# Altium PCB board_layout.pcbdoc (part 3 of 4) (continued)
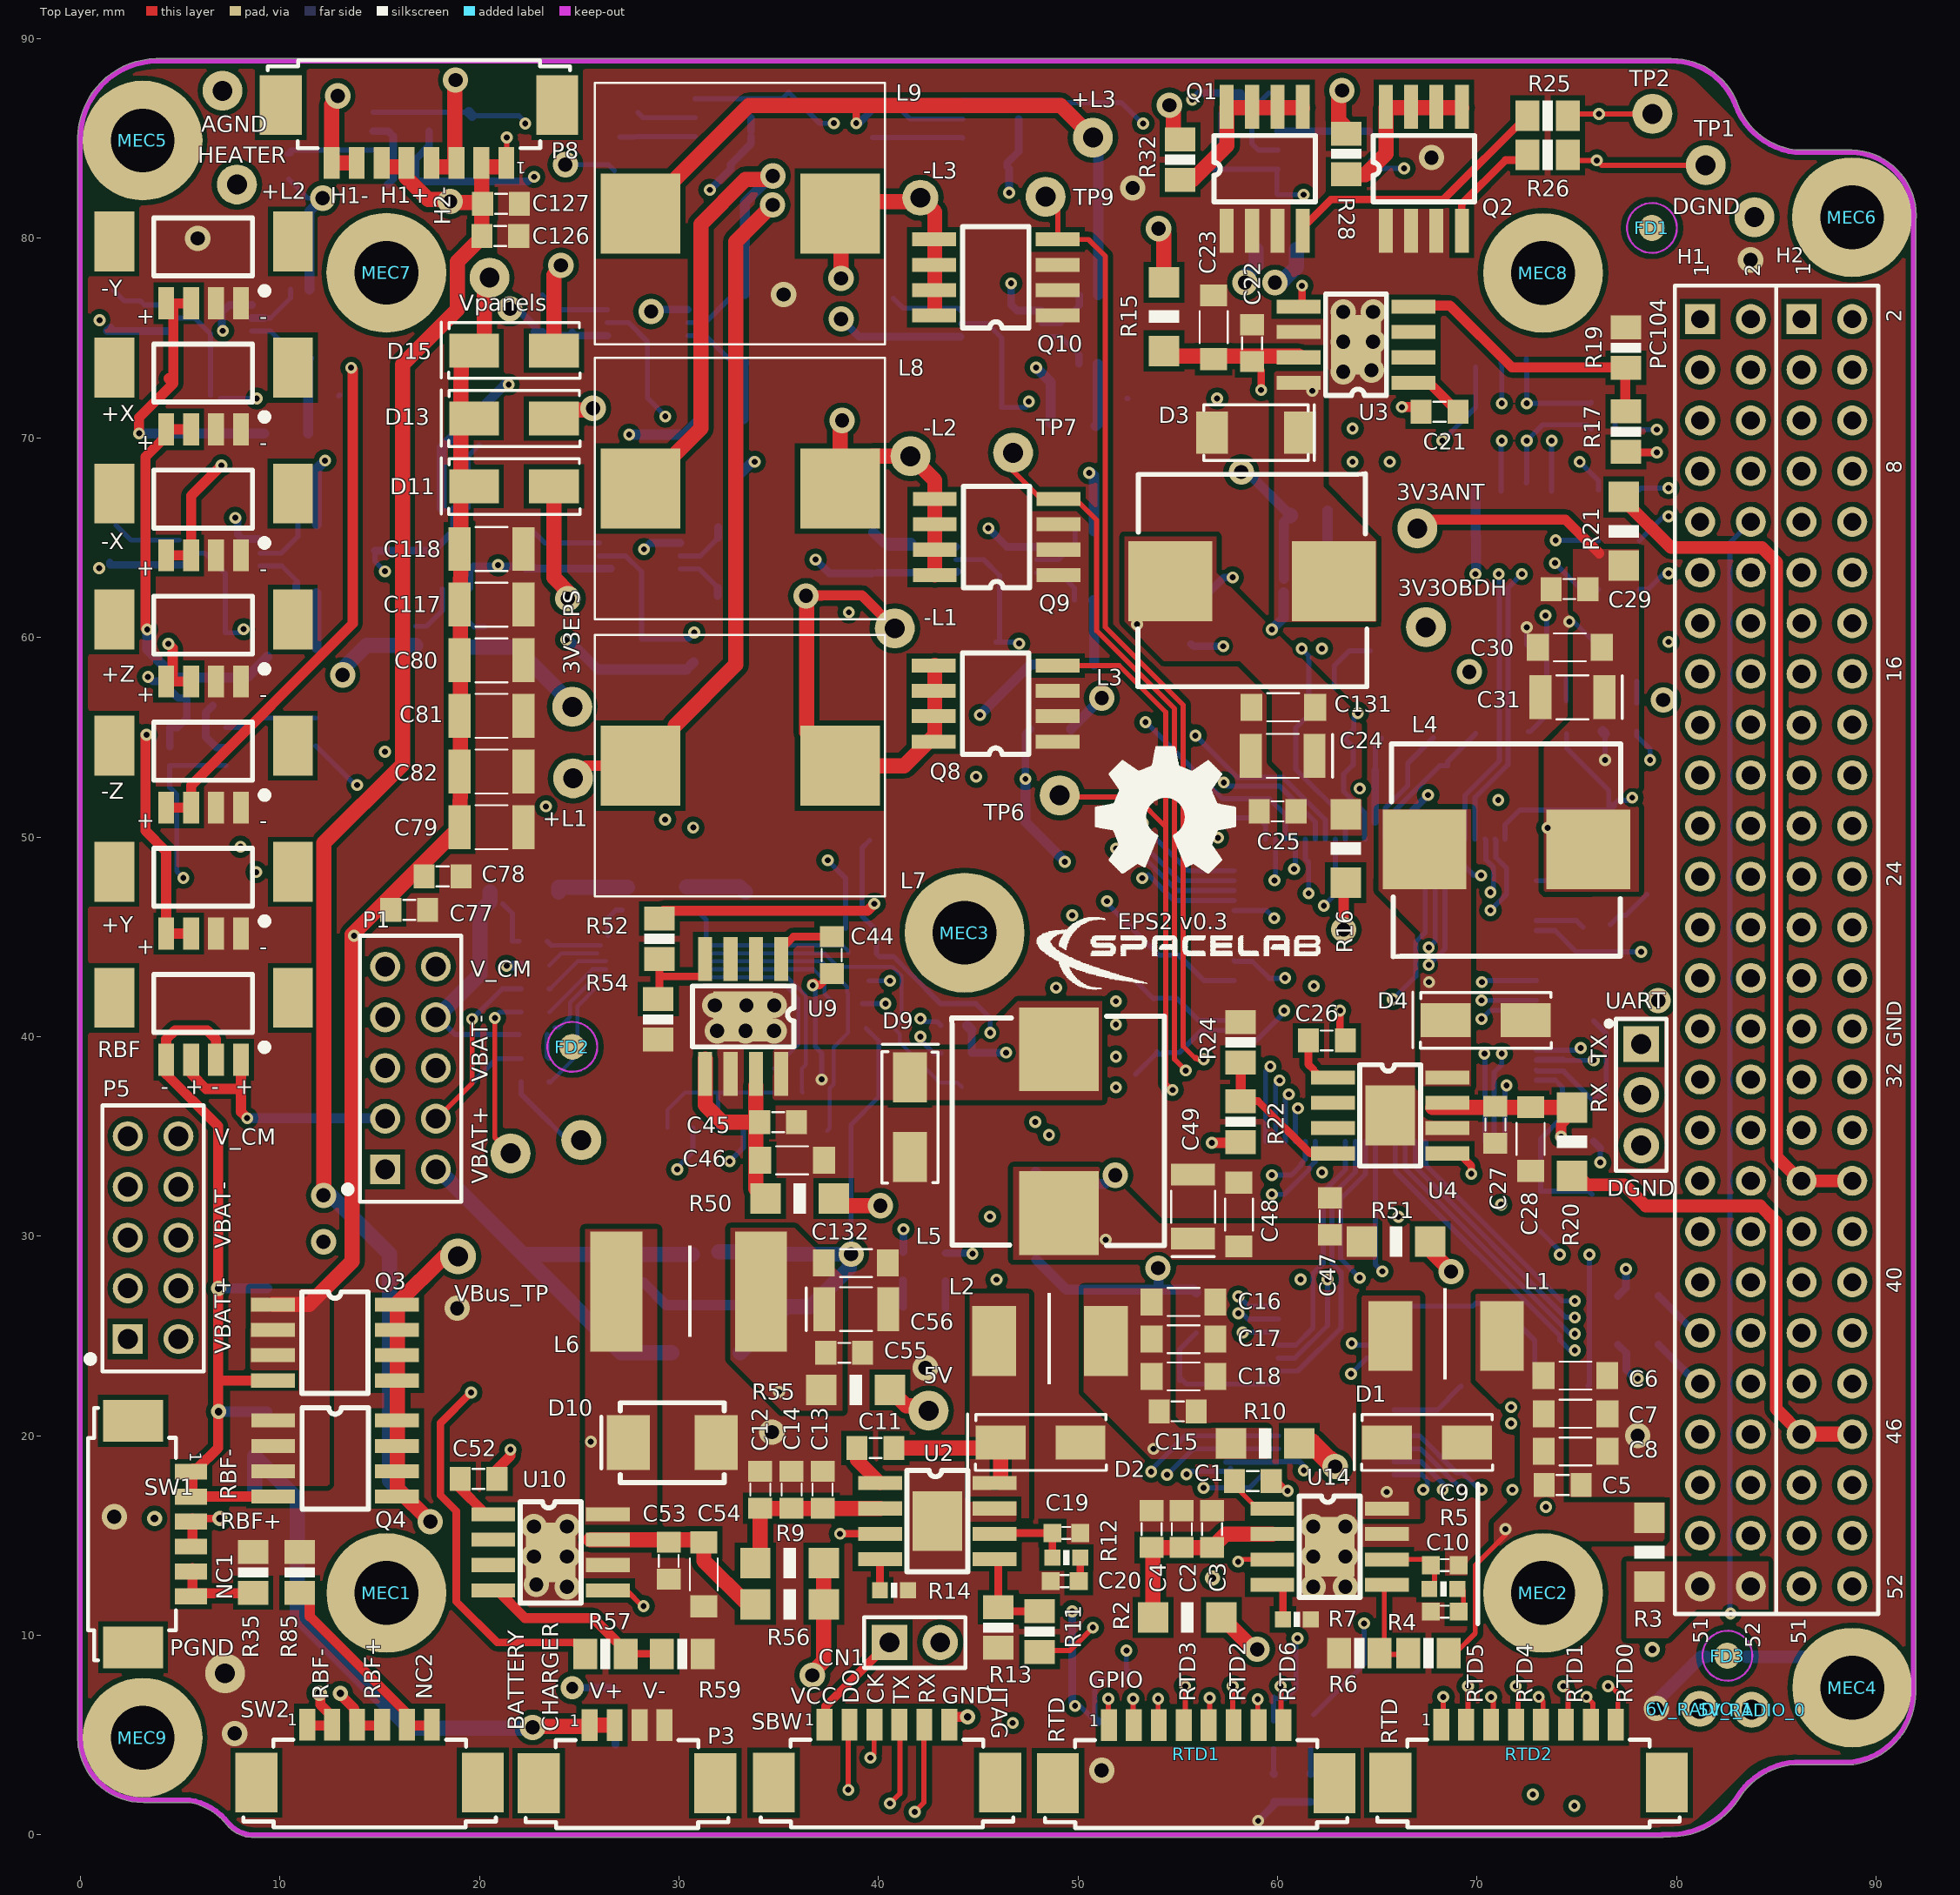
[diagram p0: Top Layer view]
## Nets (pads, with @x,y where several pads share a name; then routed paths per layer and width w, separated by ;. In a path a pad name is that pad's centre, name@x,y a point inside that pad or via, vN(x,y) a via of type N, cw(c..) or ccw(c..) an arc to the next point about the centre after c; other vN are vias at no path point) (continued)
  Bottom Layer w0.254: R69.2@10.446,82.958 11.388,82.016 v2(12.146,82.016)
  Bottom Layer w0.508: R29.2@11.486,77.441 11.486,81.356 v2(12.146,82.016) ; R41.2@11.858,65.661 11.858,68.458 v1@12.156,68.756
Net+L2_1: +L2.1 L8.1 R49.2 R68.2 R74.2 | length 74.5
  Top Layer w0.762: L8.1@28.076,67.466 31.096,70.486 31.096,80.716 33.336,82.956 34.536,82.956 v2(34.706,83.126)
  Signal Layer 1 w0.508: v1(33.796,68.806) 33.629,68.973 33.629,82.118 34.637,83.126 v2(34.706,83.126)
  Signal Layer 2 w0.381: +L2.1@7.857,82.693 8.879,83.716 8.902,83.694 22.384,83.694 22.456,83.766 24.102,83.766 24.152,83.716 v2@24.174,83.694 ; v2(24.31,83.694) v2@24.174,83.694 ; v2@34.132,83.002 33.598,83.536 24.332,83.536 v2@24.174,83.694
  Bottom Layer w0.254: v2(24.31,83.694) 26.47,83.694 R74.2@26.766,83.398
  Bottom Layer w0.508: R68.2@32.916,65.521 32.916,68.036 v1@33.726,68.846 ; R49.2@33.306,77.211 33.306,81.795 v2@34.706,83.195 ; v2(34.706,83.126) v2@34.706,83.195 ; v2@34.706,83.516 v2@34.706,83.195 ; v2@34.797,83.286 v2@34.706,83.195
Net+L3_1: +L3.1 L9.1 R75.2 R78.2 R81.2 | length 55.8
  Top Layer w0.381: v1(38.886,85.766) 38.886,86.656 38.896,86.666
  Top Layer w0.762: L9.1@28.076,81.236 33.506,86.666 38.896,86.666 49.126,86.666 +L3.1@50.746,85.046 ; +L3.1@50.796,84.736 +L3.1@51.196,85.136
  Signal Layer 1 w0.508: v1(50.556,68.246) 50.556,84.986 +L3.1@50.566,84.996
  Bottom Layer w0.381: v1@39.02,85.766 R81.2@39.707,86.453
  Bottom Layer w0.508: v1@50.666,68.266 50.797,68.135 R78.2@50.797,65.328 ; +L3.1@50.746,85.046 51.017,84.775 R75.2@51.017,77.158
Net-L1_1: -L1.1 D11.2 L7.2 Q8.3 | length 42.1
  Top Layer w0.508: v2(36.366,62.086) 36.385,62.105 37.165,62.105 ; v2@36.396,62.086 37.145,62.086 37.165,62.105 ; -L1.1@40.816,60.456 39.167,62.105 37.165,62.105
  Top Layer w0.762: D11.2@24.036,67.266 D11.2@23.736,67.566 23.736,62.996 v2@24.526,62.206 ; v2@36.396,62.086 36.396,55.256 L7.2@38.076,53.576 41.276,53.576 42.821,55.121 Q8.3@42.821,58.594 ; -L1.1@40.816,60.456 -L1.1@40.816,60.515
  Signal Layer 2 w0.762: v2(24.436,61.946) 36.226,61.946 v2(36.366,62.086)
Net-L2_1: -L2.1 D13.2 L8.2 Q9.3 | length 29.2
  Top Layer w0.762: D13.2@23.736,71.406 25.316,71.406 v2@25.396,71.486 ; v2@38.076,71.076 L8.2@38.076,67.466 39.696,69.086 -L2.1@41.606,69.086 42.821,67.871 Q9.3@42.821,66.942 Q9.3@42.821,65.672 Q9.3@42.821,64.402 Q9.3@42.821,63.132
  Signal Layer 2 w0.762: v2(25.696,71.486) 26.53,71.486 27.12,72.076 36.976,72.076 v2(38.176,70.876)
Net-L3_1: -L3.1 D15.2 L9.2 Q10.3 | length 30.7
  Top Layer w0.254: L9.2@38.076,81.236 L9.2@38.686,81.846
  Top Layer w0.762: 23.736,75.246 23.736,78.156 v2@23.886,78.306 ; L9.2@38.076,81.236 38.296,81.016 38.126,80.846 v2(38.126,77.996) ; L9.2@38.686,81.846 -L3.1@41.886,81.846 ; -L3.1@42.096,82.036 42.821,81.311 42.821,76.538
  Signal Layer 2 w0.762: v2(24.088,78.65) 37.472,78.65 v2(38.126,77.996)
NetC1_1: C1.1 U14.1 | length 2.6
  Top Layer w0.254: C1.1@57.991,17.836 57.991,17.351 58.996,16.346 U14.1@59.736,16.346
NetC1_2: C1.2 D1.1 L1.1 U14.8 | length 5.9
  Top Layer w0.254: C1.2@59.906,17.836 v1@60.486,17.256
  Top Layer w0.508: C1.2@59.841,17.836 C1.2@59.906,17.836
  Signal Layer 2 w0.254: v1(60.506,17.236) v1@65.416,17.236
  Signal Layer 2 w0.508: v1@65.416,17.236 v1(65.466,17.186)
NetC2_1: C2.1 C3.1 C4.1 R2.1 U14.2 | length 9.9
  Top Layer w0.762: R2.1@53.761,10.906 53.761,14.326 C4.1@53.686,14.401 C2.1@55.201,14.401 C3.1@56.716,14.401 57.391,15.076 U14.2@59.736,15.076
NetC5_1: C5.1 C6.1 C7.1 C8.1 L1.2 R1.1 R3.2 R4.2 | length 22.3
  Top Layer w0.254: R4.2@69.002,8.726 69.002,9.202 69.907,10.107 69.907,13.517 71.42,15.03 v1(71.42,15.323)
  Signal Layer 2 w0.254: v1(64.34,10.6) 69.063,15.323 v1(71.42,15.323)
  Bottom Layer w0.254: R1.1@61.806,6.024 64.34,8.558 v1(64.34,10.6)
NetC9_1: C9.1 R5.2 U14.6 | length 3.7
  Top Layer w0.254: U14.6@65.486,13.806 C9.1@67.953,13.806 ; R5.2@67.866,12.314 67.866,13.424 C9.1@67.963,13.521
NetC10_1: C10.1 R5.1 | length 1.1
  Top Layer w0.254: R5.1@69.263,12.314 69.316,12.261 C10.1@69.316,11.206
NetC11_1: C11.1 U2.1 | length 2.2
  Top Layer w0.7: C11.1@38.925,19.386 38.925,18.781 U2.1@40.076,17.63
NetC11_2: C11.2 D2.1 L2.1 U2.8 | length 7.6
  Top Layer w0.381: U2.8@45.826,17.63 U2.8@46.126,17.93 ; D2.1@45.846,19.386 D2.1@46.126,19.666
  Top Layer w0.762: C11.2@40.775,19.386 D2.1@45.846,19.386 ; U2.8@46.126,17.93 D2.1@46.126,19.666
NetC12_1: C12.1 C13.1 C14.1 R9.1 U2.2 | length 8.9
  Top Layer w0.762: R9.1@33.83,13.616 34.078,13.864 C12.1@34.078,16.373 34.092,16.36 U2.2@40.076,16.36
NetC15_1: C15.1 C16.1 C17.1 C18.1 L2.2 R8.1 R10.2 R11.2 | length 29.1
  Top Layer w0.254: R11.2@48.016,9.51 48.29,9.236 49.592,9.236 v1(50.746,10.39)
  Signal Layer 1 w0.254: v1(50.746,10.39) 50.746,16.306 v1(53.786,19.346)
  Signal Layer 2 w0.254: v1(50.746,10.39) 60.462,10.39 v1(60.996,9.856)
  Bottom Layer w0.254: R8.1@59.796,5.706 59.796,6.906 59.815,6.906 59.888,6.833 60.404,6.833 60.926,7.355 60.926,9.816 60.966,9.856 v1(60.996,9.856)
NetC19_1: C19.1 R12.2 U2.6 | length 4.1
  Top Layer w0.381: U2.6@45.826,15.09 45.866,15.13 C19.1@48.716,15.13 R12.2@48.717,13.89 R12.2@48.717,13.89
NetC20_1: C20.1 R12.1 | length 1.2
  Top Layer w0.381: C20.1@50.006,12.72 50.114,12.828 R12.1@50.114,13.89
NetC21_1: C21.1 U3.1 | length 2.9
  Top Layer w0.508: U3.1@66.806,72.826 67.521,72.826 C21.1@69.041,71.306
NetC21_2: C21.2 D3.1 L3.1 U3.8 | length 5.9
  Top Layer w0.508: v1(66.226,71.546) 66.951,71.546 C21.2@67.191,71.306
  Signal Layer 2 w0.508: v1(61.736,72.356) 62.237,71.855 65.917,71.855 v1(66.226,71.546) ; v1@66.261,71.581 v1@66.266,71.576
NetC22_1: C22.1 C23.1 R15.1 U3.5 U3.7 | length 15.8
  Top Layer w0.381: C22.1@58.726,73.821 59.175,73.372 v1(59.175,72.4) ; U3.5@61.056,76.576 61.225,76.576 v1(61.225,77.629)
  Top Layer w0.762: R15.1@54.306,74.362 54.571,74.096 U3.7@61.056,74.096
  Signal Layer 1 w0.381: v1(59.175,72.4) 59.175,75.3 61.225,77.35 v1(61.225,77.629)
NetC26_1: C26.1 U4.1 | length 2.7
  Top Layer w0.254: 61.786,38.376 62.351,37.956 U4.1@62.767,37.956
  Top Layer w0.381: C26.1@61.541,39.806 61.541,38.621 61.786,38.376
NetC26_2: C26.2 D4.1 L4.1 U4.8 | length 6.8
  Top Layer w0.381: v1(63.13,41.31) 63.13,40.067 C26.2@63.391,39.806
  Signal Layer 2 w0.381: v1@63.21,41.2 63.13,41.28 v1(63.13,41.31) 63.424,41.31 64.898,42.784 67.542,42.784 v1(67.59,42.736)
NetC27_1: C27.1 C28.1 R20.1 U4.5 U4.7 | length 15.8
  Top Layer w0.381: U4.5@69.016,34.226 69.706,33.536 v1(69.706,33.126)
  Top Layer w0.508: v1(74.21,34.987) 74.21,35.585 R20.1@75.076,36.451
  Top Layer w0.762: U4.7@67.776,36.451 R20.1@74.756,36.451 R20.1@75.076,36.451
  Signal Layer 2 w0.381: v1(69.706,33.126) 71.567,34.987 v1(74.21,34.987)
NetC36_1: C36.1 U5.9 | length 3.9
  Bottom Layer w0.254: U5.9@65.836,21.296 68.016,21.296 68.528,21.808 68.528,21.838 69.166,22.476 C36.1@69.206,22.476
NetC37_2: C37.2 C38.1 | length 7.4
  Bottom Layer w0.508: C38.1@28.226,27.683 29.363,26.546 33.656,26.546 C37.2@34.746,27.636
NetC39_1: C39.1 U7.14 | length 9
  Bottom Layer w0.2: U7.14@31.246,42.576 35.307,42.576 35.988,41.895 35.988,39.618 C39.1@34.766,38.396
NetC40_1: C40.1 U7.6 | length 2.8
  Bottom Layer w0.2: C40.1@23.606,44.576 U7.6@26.096,44.576
  Bottom Layer w0.254: C40.1@23.396,44.786 C40.1@23.606,44.576
NetC41_1: C41.1 R33.2 U7.2 | length 5.3
  Bottom Layer w0.2: C41.1@23.756,40.456 24.006,40.456 24.536,40.986 24.536,41.709 25.803,42.976 U7.2@26.346,42.976
  Bottom Layer w0.254: C41.1@23.396,40.113 23.396,38.992 R33.2@23.493,38.894
NetC44_1: C44.1 U9.1 | length 3.3
  Top Layer w0.381: U9.1@35.126,43.886 35.126,44.396 35.741,45.011 C44.1@37.656,45.011
NetC44_2: C44.2 D9.1 L5.1 U9.8 | length 6.6
  Top Layer w0.381: v1@36.621,42.696 v1@36.695,42.622 ; v1(36.706,42.566) 36.706,42.611 v1@36.695,42.622 ; C44.2@37.656,43.161 37.061,42.566 37.01,42.616 36.96,42.566 36.799,42.726 v1@36.695,42.622
  Bottom Layer w0.254: v1@36.565,42.696 v1@36.695,42.566 ; v1(36.706,42.566) v1@36.695,42.566 ; v1(37.156,37.856) 37.156,39.174 36.834,39.496 36.834,42.427 v1@36.695,42.566
NetC45_2: C45.2 C46.1 R50.1 U9.5 U9.7 | length 11.2
  Top Layer w0.762: U9.5@31.316,38.866 31.316,36.576 32.176,35.716 C45.2@33.856,35.716 ; U9.7@33.856,37.546 C45.2@33.856,35.716 ; C45.2@34.047,35.716 C45.2@33.856,35.716 ; R50.1@34.331,31.896 33.856,32.372 C45.2@33.856,35.716
NetC47_2: C47.2 C48.1 C49.1 L5.2 R51.2 R52.2 R53.2 | length 38.6
  Top Layer w0.508: R52.2@29.232,46.306 39.446,46.306 v1(39.796,46.656)
  Top Layer w0.762: L5.2@49.046,31.146 L5.2@49.046,31.166
  Signal Layer 1 w0.508: v1@39.776,46.606 39.787,46.606 39.796,46.597 39.796,44.615 44.71,39.701 v1(44.71,29.12)
  Signal Layer 2 w0.508: v1(44.71,29.12) 46.64,29.12 47.346,29.826 v1(51.386,29.826)
  Bottom Layer w0.381: R53.2@43.354,29.15 44.68,29.15 v1(44.71,29.12)
NetC52_1: C52.1 U10.1 | length 2.7
  Top Layer w0.508: C52.1@18.901,17.826 18.901,17.511 20.346,16.066 U10.1@20.696,16.066
NetC52_2: C52.2 D10.1 L6.1 U10.8 | length 6
  Top Layer w0.508: C52.2@20.751,17.826 20.751,18.191 21.556,18.996 v1(21.556,19.306)
  Signal Layer 2 w0.508: v1(21.556,19.306) 21.956,19.706 v1(25.586,19.706)
NetC53_1: C53.1 C54.1 R56.1 U10.7 | length 9.7
  Top Layer w0.762: U10.7@25.576,14.796 U10.7@26.446,14.796 C54.1@30.911,14.796 ; C54.1@31.246,14.656 31.246,13.746 33.433,11.559 R56.1@33.83,11.559
NetC55_1: C55.1 C56.1 C132.1 L6.2 R55.2 R57.2 R58.1 | length 46.8
  Top Layer w0.381: v1(19.586,22.173) 18.05,20.637 18.05,17.02 18.84,16.23 18.84,11.7 20.897,9.643 24.733,9.643 R57.2@25.3,9.076
  Signal Layer 2 w0.381: v1(19.586,22.173) v1@35.02,22.173 ; v1(35.02,22.2) 35.87,22.2 41.25,27.58 v1(41.25,30.35)
  Bottom Layer w0.381: R58.1@41.226,29.202 41.25,29.226 v1(41.25,30.35)
NetC65_1: C65.1 U12.27 | length 2.4
  Bottom Layer w0.254: U12.27@72.971,47.816 75.146,47.816 C65.1@75.306,47.656
NetC66_1: C66.1 U13.5 | length 3.2
  Bottom Layer w0.254: U13.5@62.841,57.466 62.841,58.581 63.586,59.326 C66.1@64.646,59.326
NetC72_2: C72.2 D7.1 R29.1 | length 3.8
  Bottom Layer w0.508: D7.1@11.426,70.226 11.426,73.956 R29.1@11.461,73.991
NetC74_2: C74.2 D12.1 R41.1 | length 2.7
  Bottom Layer w0.508: D12.1@11.833,59.479 R41.1@11.833,62.211
NetC76_2: C76.2 D14.1 R49.1 | length 2.8
  Bottom Layer w0.508: D14.1@33.236,70.946 33.236,73.716 R49.1@33.281,73.761
NetC83_2: C83.2 R69.1 R71.2 U17.1 | length 4.6
  Bottom Layer w0.254: R69.1@10.562,84.236 10.451,84.231 10.366,84.228 10.554,84.416 U17.1@14.676,84.416
NetC86_2: C86.2 R70.1 R73.2 U19.1 | length 4.7
  Bottom Layer w0.254: U19.1@7.285,55.492 8.452,55.492 8.928,55.968 R73.2@10.48,55.968 R70.1@11.805,55.968
NetC88_2: C88.2 D16.1 R68.1 | length 3
  Bottom Layer w0.508: R68.1@32.891,62.071 32.936,62.026 D16.1@32.936,59.056
NetC90_2: C90.2 R74.1 R76.2 U21.1 | length 3.8
  Bottom Layer w0.254: R74.1@27.036,85.076 27.761,85.076 27.882,85.097 U21.1@30.816,85.097
NetC93_2: C93.2 D17.1 R75.1 | length 3.2
  Bottom Layer w0.508: D17.1@50.886,70.586 50.992,70.692 R75.1@50.992,73.708
NetC97_2: C97.2 D18.1 R78.1 | length 3.2
  Bottom Layer w0.508: R78.1@50.772,61.878 50.806,61.844 D18.1@50.806,58.646
NetC98_2: C98.2 R81.1 R82.2 U24.1 | length 4.5
  Bottom Layer w0.254: R81.1@39.707,85.056 R82.2@41.102,85.056 44.201,85.056 U24.1@44.227,85.03
NetC120_2: C120.2 R45.1 R86.2 U26.1 | length 4.7
  Bottom Layer w0.254: R45.1@64.601,85.356 R45.1@64.666,85.291
  Bottom Layer w0.381: U26.1@60.016,85.366 64.591,85.366 R45.1@64.601,85.356
NetC128_2: C128.2 R51.1 Rsense3.1 | length 93.6
  Top Layer w0.254: R51.1@67.65,29.277 R51.1@67.65,29.726
  Top Layer w0.762: R51.1@67.65,29.277 v2(68.697,28.23)
  Signal Layer 1 w0.762: v2(68.697,28.23) 68.697,28.451 68.486,28.662 68.486,57.156 v2(69.61,58.28)
  Signal Layer 2 w0.762: v2@13.133,58.34 13.29,58.496 69.394,58.496 v2(69.61,58.28)
  Bottom Layer w0.762: v2(13.146,58.126) 13.146,58.406 14.351,59.611 Rsense3.1@16.811,59.611
NetCC_1: CC.1 R39.2 U6.4 | length 14.9
  Signal Layer 2 w0.254: CC.1@25.106,34.816 CC.1@25.294,34.628 ; CC.1@25.244,33.968 25.792,34.516 31.78,34.516 v1(32.543,33.753)
  Bottom Layer w0.254: R39.2@22.096,37.726 22.096,37.116 CC.1@25.056,34.156 ; v1(32.543,33.753) 33.236,34.446 U6.4@33.236,35.426
NetD6_1: D6.1 R42.1 U7.11 | length 15.4
  Bottom Layer w0.2: U7.11@31.246,43.776 37.15,43.776 38.426,42.5 38.426,42.218 38.479,42.165 38.479,40.195 37.751,39.467 37.751,37.61 37.556,37.414 37.556,35.416 D6.1@37.426,35.286
NetD8_1: D8.1 R37.1 U7.10 | length 18
  Bottom Layer w0.2: U7.10@31.246,44.176 37.289,44.176 37.965,43.5 40.693,43.5 41.154,43.039 41.154,40.799 R37.1@40.774,40.419 41.075,40.117 41.075,39.7 43.077,37.698 43.953,37.698 D8.1@44.175,37.476
NetDC_1: DC.1 R40.2 U6.2 | length 20.1
  Top Layer w0.254: v1(20.776,40.936) 20.776,34.946 DC.1@21.566,34.156
  Signal Layer 2 w0.254: DC.1@21.566,34.156 21.566,33.946 22.666,32.846 29.416,32.846 v1(29.916,33.346)
  Bottom Layer w0.254: v1@20.786,40.996 21.021,41.231 R40.2@22.096,41.231 ; v1(29.916,33.346) 29.916,33.456 30.696,34.236 U6.2@30.696,35.426
NetQ1_2: Q1.2 R25.1 | length 13.7
  Top Layer w0.381: Q1.2@61.186,80.456 62.676,81.946 68.32,81.946 R25.1@72.52,86.146
NetQ1_3: Q1.3 R32.2 | length 8.4
  Top Layer w0.762: R32.2@55.456,82.936 55.746,82.936 57.46,84.65 57.46,86.551 Q1.3@61.262,86.551
NetQ2_2: Q2.2 R26.1 | length 5.7
  Top Layer w0.381: Q2.2@69.232,80.381 69.232,81.733 71.416,83.917 72.251,83.917 R26.1@72.52,84.186
NetQ2_3: Q2.3 R28.2 | length 8.2
  Top Layer w0.762: R28.2@63.756,83.18 64.38,83.18 65.43,84.23 65.43,86.551 Q2.3@69.232,86.551
NetR4_1: R4.1 R6.2 U14.5 | length 5.3
  Top Layer w0.254: U14.5@65.486,12.536 65.352,12.402 65.352,9.05 66.216,9.05 66.54,8.726 R4.1@66.97,8.726
NetR7_2: R7.2 U14.4 | length 1.6
  Top Layer w0.381: R7.2@60.267,10.756 R7.2@60.267,10.796 U14.4@60.267,12.406
NetR11_1: R11.1 R13.2 U2.5 | length 4.6
  Top Layer w0.381: U2.5@45.826,13.82 46,13.646 R13.2@46,11.406 46.2,11.206 R11.1@48.07,11.206
NetR14_2: R14.2 U2.4 | length 1.6
  Top Layer w0.381: R14.2@40.076,12.256 U2.4@40.076,13.82
NetR17_1: R17.1 R19.2 U3.4 | length 14.1
  Top Layer w0.508: U3.4@66.806,76.636 68.646,76.636 71.746,73.536 77.43,73.536 R17.1@77.43,71.328
NetR22_1: R22.1 R24.2 U4.4 | length 7.2
  Top Layer w0.381: R22.1@58.576,36.772 59.014,36.772 61.64,34.146 U4.4@62.767,34.146
  Top Layer w0.508: R22.1@58.153,36.752 R24.2@58.153,38.7
NetR31_2: R31.2 VBUS_LED.1 | length 1.3
  Bottom Layer w0.381: VBUS_LED.1@26.824,4.524 R31.2@26.824,5.806
NetR34_1: R34.1 U7.4 | length 3.4
  Bottom Layer w0.2: R34.1@23.549,42.399 24.926,43.776 U7.4@26.346,43.776
  Bottom Layer w0.254: R34.1@23.493,42.399 R34.1@23.549,42.399
NetR38_2: R38.2 U6.1 U6.3 | length 8.4
  Bottom Layer w0.2: U6.1@29.426,35.426 29.426,36.326 30.296,37.196 32.026,37.196 ; U6.3@31.966,35.426 31.966,37.136 32.026,37.196 ; R38.2@34.807,37.196 32.026,37.196
NetR39_1: R39.1 U7.1 | length 5.9
  Bottom Layer w0.2: R39.1@23.556,37.726 24.914,39.084 24.914,41.514 U7.1@25.951,42.551
  Bottom Layer w0.254: R39.1@23.493,37.726 R39.1@23.556,37.726
NetR40_1: R40.1 U7.3 | length 3.7
  Bottom Layer w0.2: R40.1@23.493,41.231 23.518,41.231 25.663,43.376 U7.3@26.346,43.376
NetR43_2: R43.2 U7.5 | length 2.7
  Bottom Layer w0.2: R43.2@23.493,43.568 24.102,44.176 U7.5@25.906,44.176
NetR44_1: R44.1 U7.9 | length 7.5
  Bottom Layer w0.2: U7.9@31.246,44.576 38.202,44.576 38.496,44.282 R44.1@38.496,44.191
NetR46_1: R46.1 RSense1.4 | length 3.1
  Bottom Layer w0.762: RSense1.4@30.376,47.516 33.051,47.516 R46.1@33.331,47.236
NetR47_2: R47.2 RSense1.3 | length 3.7
  Bottom Layer w0.762: R47.2@23.97,47.236 23.97,47.496 RSense1.3@27.426,47.496
NetR52_1: R52.1 R54.2 U9.4 | length 4.3
  Top Layer w0.381: R54.2@28.966,41.882 29.026,41.942 29.026,43.022 ; R52.1@29.026,43.89 29.026,43.022 ; U9.4@31.256,43.022 29.026,43.022
NetR57_1: R57.1 R59.2 U10.4 | length 9.9
  Top Layer w0.381: R57.1@27.332,9.076 R59.2@29.15,9.076
  Top Layer w0.508: U10.4@20.696,12.256 20.901,12.256 22.285,10.872 25.698,10.872 27.332,9.238 R57.1@27.332,9.076
NetR60_1: R60.1 SYSTEM_ON.1 | length 1.1
  Bottom Layer w0.254: R60.1@78.006,56.703 SYSTEM_ON.1@78.006,57.806
NetR80_1: R80.1 SYSTEM_FAULT.1 | length 2.5
  Bottom Layer w0.254: R80.1@76.671,45.616 77.131,46.076 77.445,46.076 SYSTEM_FAULT.1@78.5,47.132
NetR92_2: R92.2 U7.12 | length 7.7
  Bottom Layer w0.2: U7.12@31.246,43.376 36.737,43.376 37.301,42.812 37.301,42.15 R92.2@37.801,41.65
NetRsense3_3: Rsense3.3 U27.8 | length 2.7
  Bottom Layer w0.254: Rsense3.3@16.811,60.561 17.351,60.561 18.141,61.351 U27.8@18.141,62.441
NetRsense3_4: Rsense3.4 U27.7 | length 2.8
  Bottom Layer w0.254: U27.7@18.791,62.441 18.791,61.481 19.736,60.536 Rsense3.4@20.261,60.536
PANEL+X: +X.3 +X.4 D12.2 | length 19.7
  Top Layer w0.508: v1@3.276,60.456 3.276,69.056 4.306,70.086 +X.4@4.306,70.429 +X.3@5.556,70.429
  Bottom Layer w0.508: v1(3.356,60.406) 3.356,59.396 4.752,58 8.34,58 D12.2@9.366,59.026
PANEL+Y: +Y.3 +Y.4 D18.2 | length 58.7
  Top Layer w0.508: v1@3.266,55.166 3.266,50.316 4.306,49.276 +Y.4@4.306,45.163 +Y.3@5.556,45.163
  Signal Layer 2 w0.508: v1(3.326,55.126) 24.031,55.126 24.311,54.846 43.816,54.846 v1(45.086,56.116)
  Bottom Layer w0.508: v1(45.086,56.116) 47.616,58.646 D18.2@48.606,58.646
PANEL+Z: +Z.3 +Z.4 D16.2 | length 30.2
  Top Layer w0.508: +Z.4@4.306,57.796 +Z.4@4.676,57.796 ; 4.631,59.471 4.631,57.841 +Z.4@4.676,57.796 ; +Z.3@5.556,57.796 +Z.4@4.676,57.796
  Signal Layer 2 w0.508: v1(4.416,59.686) 4.435,59.667 24.137,59.667 v1(24.357,59.886)
  Bottom Layer w0.508: v1(24.357,59.886) 24.406,59.936 25.946,58.396 30.376,58.396 D16.2@30.736,58.756
PANEL-X: -X.3 -X.4 D14.2 | length 31.5
  Top Layer w0.508: -X.4@4.306,64.113 -X.3@5.556,64.113 5.556,67.106 v1(7.076,68.626)
  Signal Layer 2 w0.508: v1(7.076,68.626) 7.076,69.166 8.076,70.166 v1@27.306,70.166
  Bottom Layer w0.508: v1@27.506,70.226 v1(27.506,70.166) 30.256,70.166 D14.2@31.036,70.946
PANEL-Y: -Y.3 -Y.4 D7.2 | length 15.2
  Top Layer w0.508: v1(2.946,70.226) 2.946,71.016 4.666,72.736 ; 4.426,72.976 4.666,72.736 ; -Y.3@5.676,76.746 4.426,76.746 4.666,76.506 4.666,72.736
  Bottom Layer w0.508: v1(2.946,70.226) D7.2@9.226,70.226
PANEL-Z: -Z.3 -Z.4 D17.2 | length 64.1
  Top Layer w0.508: -Z.4@4.306,51.479 -Z.3@5.556,51.479 5.556,52.59 13.656,60.69 13.656,73.436 v1(13.576,73.516)
  Signal Layer 2 w0.508: v1(13.576,73.516) v1@47.936,73.516
  Bottom Layer w0.508: v1(47.896,73.526) 48.636,72.786 D17.2@48.636,70.746
PC104_GPIO0: R89.2 U12.24 | length 31.5
  Signal Layer 1 w0.254: v1(70.669,46.33) 70.669,46.359 72.904,48.594 72.904,52.852 76.635,56.583 76.635,67.305 v1(75.14,68.8)
  Bottom Layer w0.254: v1(70.669,46.33) 71.476,47.137 71.476,48.443 70.941,48.978 70.941,49.846 U12.24@70.896,49.891 ; v1(75.14,68.8) 76.091,67.849 R89.2@76.091,67.4
PC104_GPIO1: R90.2 U12.23 | length 25.9
  Signal Layer 1 w0.254: v1(70.669,47.24) 72.472,49.043 72.472,53.031 76.204,56.762 76.204,62.597 v1(73.936,64.865)
  Bottom Layer w0.254: U12.23@70.396,49.891 70.441,49.846 70.441,48.867 70.822,48.486 70.822,47.393 v1(70.669,47.24) ; v1(73.936,64.865) 76.076,64.865 R90.2@76.091,64.85
PC104_GPIO2: R91.2 U12.20 | length 24.4
  Signal Layer 1 w0.254: v1(70.2,48.077) 70.547,48.077 70.572,48.102 70.597,48.077 72.04,49.52 72.04,53.209 75.772,56.941 75.772,61.855 v1(73.897,63.73)
  Signal Layer 1 w0.381: v1@73.897,63.683 v1(73.897,63.73)
  Bottom Layer w0.254: U12.20@68.896,49.891 68.896,49.023 69.842,48.077 69.867,48.102 69.892,48.077 v1(70.2,48.077) ; v1(73.897,63.73) 75.217,62.41 R91.2@76.091,62.41
PGND: 3V3_ANT.2 3V3_EPS_BEACON.2 3V3_OBDH.2 5V_PAYLOADS_LED.2 5V_RADIO_0_LED.2 6V_RADIO_1_LED.2 +X.1 +X.2 +Y.1 +Y.2 +Z.1 +Z.2 -X.1 -X.2 -Y.1 -Y.2 -Z.1 -Z.2 C2.2 C3.2 C4.2 C5.2 C6.2 C7.2 C8.2 C9.2 C10.2 C12.2 C13.2 C14.2 C15.2 C16.2 C17.2 C18.2 C19.2 C20.2 C22.2 C23.2 C24.2 C25.2 C27.2 C28.2 C29.2 C30.2 C31.2 C45.1 C46.2 C47.1 C48.2 C49.2 C50.2 C53.2 C54.2 C55.2 C56.2 C77.2 C78.2 C79.2 C80.2 C81.2 C82.2 C117.2 C118.2 C126.1 C127.1 C131.2 C132.2 D1.2 D2.2 D3.2 D4.2 D5.2 D6.2 D8.2 D9.2 D10.2 FB3.2 FB4.2 P3.3 P3.4 pad.5 Q1.1 Q2.1 Q8.1 Q9.1 Q10.1 R6.1 R7.1 R13.1 R14.1 R19.1 R24.1 R35.2 R46.2 R54.1 R59.1 R85.2 R_ESD.1 U2.7 U2.9 U3.6 U3.9 U4.6 U4.9 U7.15 U9.6 U9.9 U10.6 U10.9 U14.7 U14.9 VBUS_LED.2 | length 10.3
  Bottom Layer w0.254: v1(72.486,60.506) 72.486,59.625 3V3_OBDH.2@72.716,59.395 ; v1@74.709,60.929 3V3_ANT.2@76.243,59.395
  Bottom Layer w0.381: v1(59.026,0.706) 59.818,1.498 5V_RADIO_0_LED.2@59.818,1.652 6V_RADIO_1_LED.2@61.671,1.652
  Bottom Layer w0.635: v2(78.98,6.34) 78.98,6.69 81.22,8.93 R_ESD.1@81.474,8.93
  other v1: 74.616,60.796
  other v2: 51.186,3.236 7.736,5.086 1.706,15.946 78.046,20.006 34.656,20.186 42.35,23.4 18.89,26.39 35.246,77.186 83.7,78.92 5.886,79.996 52.736,82.526 67.716,84.046
  other v3: 24.396,12.436 61.786,12.436 63.396,12.436 22.85,12.55 22.736,13.946 24.396,13.946 61.786,13.946 63.396,13.946 22.736,15.456 24.396,15.456 61.786,15.456 63.396,15.456 31.916,40.286 33.341,40.286 34.766,40.286 31.796,41.566 33.386,41.566 34.776,41.566 63.286,73.316 64.706,73.396 63.286,74.816 64.786,74.816 63.286,76.316 64.786,76.316
PIO: D5.1 R44.2 R64.2 U12.17 | length 60.5
  Signal Layer 1 w0.254: v1(45.586,30.986) 45.363,31.209 45.363,39.963 v1(45.6,40.2) ; v1(62.228,33.202) 65.825,36.799 65.775,36.849 v1(65.775,41.875)
  Signal Layer 2 w0.254: v1(45.586,30.986) 45.637,30.986 46.105,30.518 59.97,30.518 62.102,32.65 62.102,33.076 v1(62.228,33.202)
  Bottom Layer w0.254: D5.1@39.556,49.826 39.174,49.444 39.174,46.05 R64.2@39.799,45.425 39.9,45.323 39.9,44.155 40.046,44.009 40.757,44.009 41.559,43.207 ; 41.559,43.206 43.115,41.65 44.888,41.65 45.6,40.938 v1(45.6,40.2) ; v1@45.586,30.826 v1(45.586,30.986) ; v1(65.775,41.875) 66.925,43.025 66.925,44.75 67.396,45.221 U12.17@67.396,49.891
RTD0: RTD2.8 U5.11 | length 24.6
  Top Layer w0.254: v1(76.56,7.45) 76.711,7.45 76.716,7.455 77.056,7.115 RTD2.8@77.056,5.395
  Signal Layer 1 w0.254: v1(70.226,17.296) 70.226,17.161 68.591,15.526 68.591,10.5 70.582,8.509 75.502,8.509 76.56,7.451 v1(76.56,7.45)
  Bottom Layer w0.254: U5.11@65.836,19.996 67.127,19.996 68.973,18.15 69.275,18.15 70.129,17.296 v1(70.226,17.296)
RTD1: RTD2.6 U5.12 | length 21.2
  Top Layer w0.254: v1(74.32,7.45) 74.556,7.214 RTD2.6@74.556,5.395
  Signal Layer 1 w0.254: v1(69.249,17.296) 68.16,16.206 68.16,10.321 70.403,8.078 73.702,8.078 74.32,7.46 v1(74.32,7.45)
  Bottom Layer w0.254: U5.12@65.836,19.346 67.167,19.346 68.794,17.719 68.827,17.719 v1(69.249,17.296)
RTD2: RTD1.6 U5.17 | length 20.2
  Top Layer w0.254: RTD1.6@57.676,5.395 57.758,5.477 v1(57.758,7.455)
  Signal Layer 1 w0.254: v1(54.466,18.046) 54.466,10.974 57.758,7.682 v1(57.758,7.455)
  Bottom Layer w0.254: v1(54.466,18.046) 55.766,19.346 U5.17@60.036,19.346
RTD3: RTD1.4 U5.18 | length 20.4
  Top Layer w0.254: RTD1.4@55.176,5.395 55.37,5.589 v1(55.37,7.455)
  Signal Layer 1 w0.254: v1(53.666,18.206) 53.666,17.904 54.034,17.536 54.034,10.795 55.37,9.459 v1(55.37,7.455)
  Bottom Layer w0.254: 53.836,18.466 55.366,19.996 U5.18@60.036,19.996
RTD4: RTD2.4 U5.13 | length 17.8
  Top Layer w0.254: v1(71.933,7.455) 72.056,7.332 RTD2.4@72.056,5.395
  Signal Layer 1 w0.254: v1(68.273,17.296) 67.728,16.751 67.728,10.142 70.332,7.538 71.851,7.538 v1(71.933,7.455)
  Bottom Layer w0.254: U5.13@65.836,18.696 67.206,18.696 v1@68.362,17.54
RTD5: RTD2.2 U5.14 | length 15.1
  Top Layer w0.254: v1(69.54,7.45) 69.54,5.411 RTD2.2@69.556,5.395
  Signal Layer 1 w0.254: v1(67.296,17.296) 67.296,9.963 69.54,7.719 v1(69.54,7.45)
  Bottom Layer w0.254: U5.14@65.836,18.046 67.245,18.046 67.506,17.785 v1@67.506,17.296
RTD6: RTD1.8 U5.15 | length 19.1
  Top Layer w0.254: v1(60.146,7.455) 60.176,7.425 RTD1.8@60.176,5.395
  Signal Layer 1 w0.254: v1(56.296,17.396) 55.33,16.43 55.33,11.391 59.303,7.418 60.108,7.418 v1(60.146,7.455)
  Bottom Layer w0.254: v1@56.196,17.396 58.586,17.396 59.236,18.046 U5.15@60.036,18.046
RTD_COMMON: R27.2 RTD1.3 RTD1.5 RTD1.7 RTD2.1 RTD2.3 RTD2.5 RTD2.7 U5.5 U5.16 | length 60.5
  Top Layer w0.254: RTD1.3@53.926,5.395 54.016,5.485 v1(54.016,6.825) ; RTD1.5@56.426,5.395 56.596,5.565 v1(56.596,6.865) ; RTD1.7@58.926,5.395 59.006,5.475 v1(59.006,6.795) ; RTD2.1@68.306,5.395 v1(68.306,6.915) ; v1(70.697,6.915) 70.806,6.807 RTD2.3@70.806,5.395 ; v1(73.089,6.915) 73.306,6.698 RTD2.5@73.306,5.395 ; v1(75.48,6.915) 75.806,6.59 RTD2.7@75.806,5.395
  Signal Layer 1 w0.254: v1(55.436,18.066) 54.898,17.528 54.898,11.212 59.006,7.104 v1(59.006,6.795) ; v1(61.316,18.266) 61.316,20.746 v1(63.676,23.106)
  Signal Layer 2 w0.254: v1(54.016,6.825) 54.075,6.766 75.331,6.766 v1(75.48,6.915)
  Bottom Layer w0.254: v1@55.306,18.066 55.463,18.223 57.497,18.223 R27.2@57.646,18.372 ; R27.2@57.406,18.686 60.026,18.686 U5.16@60.036,18.696 61.116,18.696 61.316,18.496 v1(61.316,18.266) ; v1@63.681,23.101 64.476,23.896 U5.5@65.836,23.896
RTD_CS: U5.24 U12.65 | length 15
  Signal Layer 2 w0.254: v1@62.376,27.836 62.376,27.856 62.436,27.916 v1(64.116,27.916)
  Bottom Layer w0.254: U5.24@60.036,23.896 60.873,23.896 62.506,25.529 v1(62.506,27.836) ; v1(64.116,27.916) 63.155,28.877 63.155,31.868 64.396,33.108 U12.65@64.396,34.741
RTD_DIN: U5.27 U12.60 | length 31.5
  Signal Layer 2 w0.254: v1@58.031,26.226 58.267,25.99 74.839,25.99 v1(74.896,25.933)
  Bottom Layer w0.254: v1(58.031,26.136) 58.228,26.136 58.518,25.846 U5.27@60.036,25.846 ; U12.60@66.896,34.741 66.896,33.479 74.442,25.933 v1(74.896,25.933)
RTD_DOUT: U5.26 U12.61 | length 31.9
  Signal Layer 2 w0.254: v1(58.256,25.176) 58.4,25.32 74.622,25.32 74.833,25.109 v1(74.896,25.109)
  Bottom Layer w0.254: v1(58.256,25.176) 58.276,25.196 U5.26@60.036,25.196 ; U12.61@66.396,34.741 66.396,33.368 74.654,25.109 v1(74.896,25.109)
RTD_DRDY: U5.25 U12.67 | length 12.1
  Bottom Layer w0.254: U5.25@60.036,24.546 60.912,24.546 61.776,25.41 61.776,28.133 62.292,28.649 62.292,32.225 63.396,33.329 U12.67@63.396,34.741
RTD_RESET: U5.4 U12.62 | length 27.8
  Signal Layer 2 w0.254: v1(63.716,24.626) 74.499,24.626 74.839,24.286 v1(74.896,24.286)
  Bottom Layer w0.254: v1(63.716,24.626) 63.796,24.546 U5.4@65.836,24.546 ; U12.62@65.896,34.741 65.896,33.257 74.15,25.003 74.15,24.78 74.644,24.286 v1(74.896,24.286)
RTD_SCLK: U5.28 U12.59 | length 30.3
  Signal Layer 2 w0.254: v1@58.036,26.906 58.093,26.848 74.804,26.848 v1(74.896,26.756)
  Bottom Layer w0.254: 58.289,26.758 58.551,26.496 U5.28@60.036,26.496 ; U12.59@67.396,34.741 67.441,34.696 67.441,33.544 74.229,26.756 v1(74.896,26.756)
  other v1: 58.036,26.986
RTD_START: U5.23 U12.66 | length 14
  Bottom Layer w0.254: U5.23@60.036,23.246 61.017,23.246 63.176,25.405 63.176,28.207 62.724,28.659 62.724,32.046 63.896,33.219 U12.66@63.896,34.741
SRC: C39.2 R38.1 U7.13 | length 10.5
  Bottom Layer w0.2: U7.13@31.246,42.976 35.441,42.976 36.366,42.051 36.366,38.596 C39.2@36.166,38.396 36.166,37.235 R38.1@36.204,37.196